# Altium PCB Audio-Streamer-Mainboard.PcbDoc (part 6 of 7)
Units mm, origin at the board's own origin, x right, y up, seen from the top; angles counter-clockwise.
Board outline 180 x 270 mm, 4 copper layers (Top Layer, VCC, GND, Bottom Layer), stack 1.62 mm thick; 653 components, 499 nets, 2423 pads, 1617 vias.
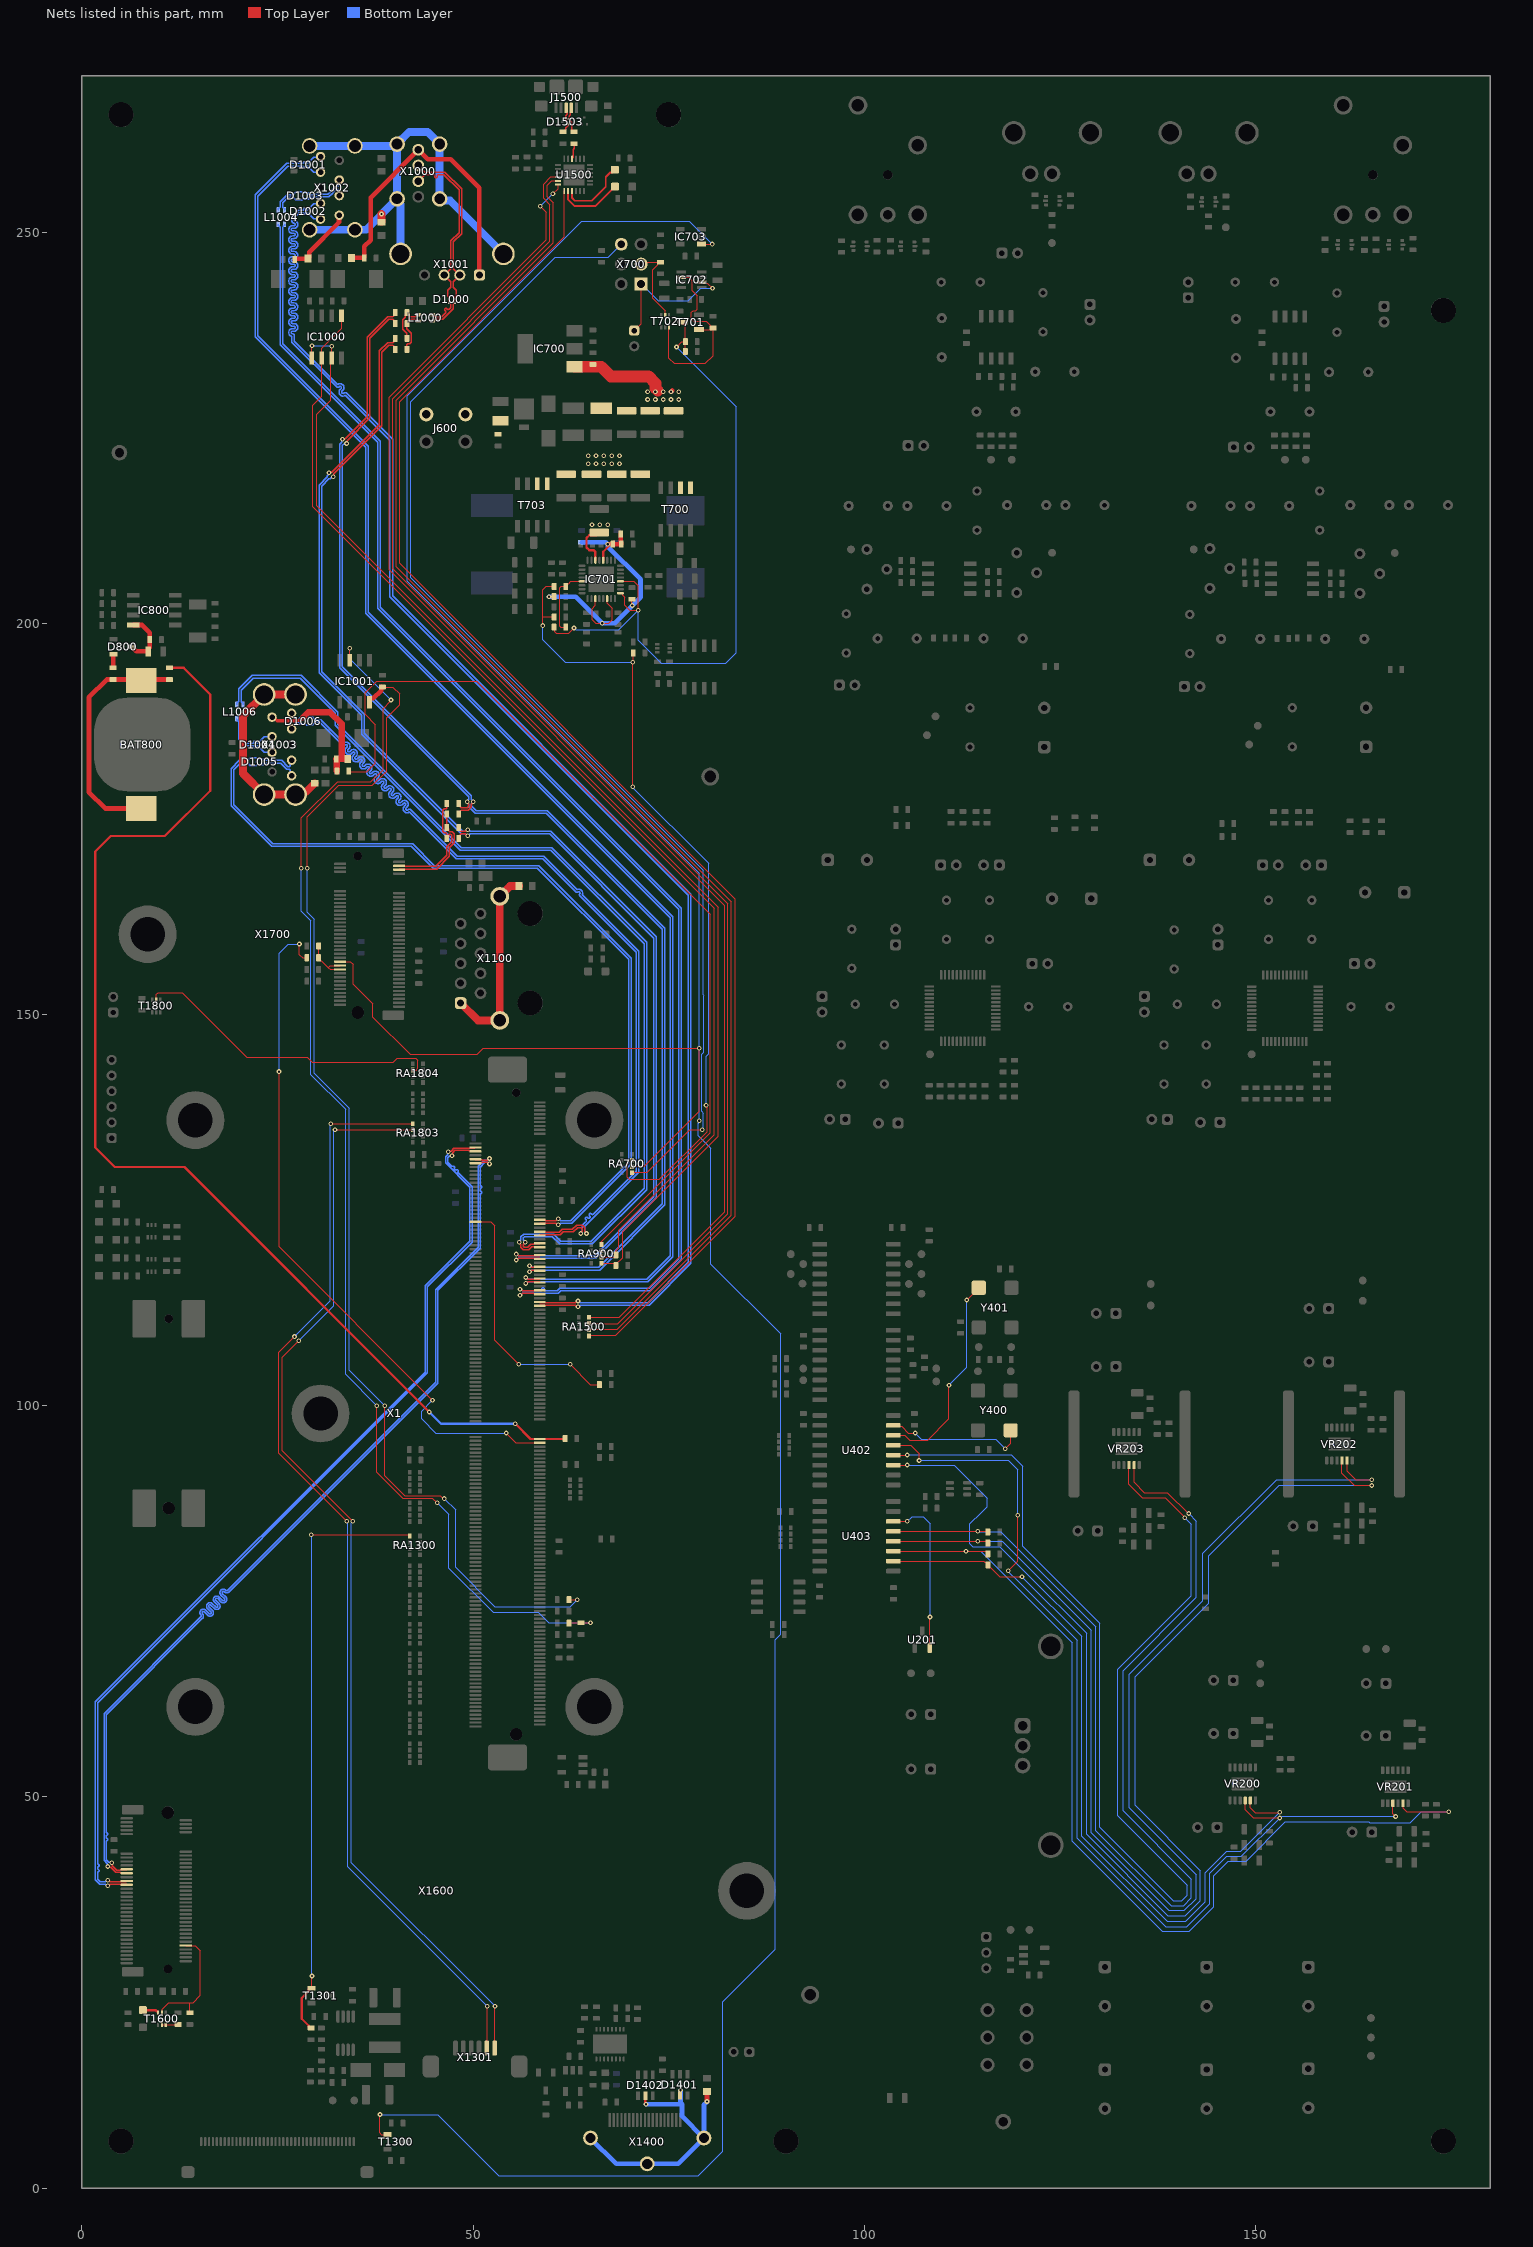
[diagram p8: the nets of this part, all layers, seen from the top]

## Via types
v1: diameter 0.6, hole 0.3, Top Layer to Bottom Layer, tented both sides, 1281 vias
v2: diameter 0.6, hole 0.3, Top Layer to Bottom Layer, 336 vias

## Nets (pads, with @x,y where several pads share a name; then routed paths per layer and width w, separated by ;. In a path a pad name is that pad's centre, name@x,y a point inside that pad or via, vN(x,y) a via of type N, cw(c..) or ccw(c..) an arc to the next point about the centre after c; other vN are vias at no path point) (continued)
PCIE1_WDISABLE#: R1702.1 R1703.1 X1700.54 X1700.56 | length 6.6
  Top Layer w0.15: R1702.1@30.25,158.75 R1703.1@30.25,157.25 30.25,157.113 30.475,156.888 30.612,156.888 31.5,156 ; X1700.56@33,155.75 31.75,155.75 31.5,156 ; X1700.54@33,156.25 31.75,156.25 31.5,156
PCIE1_WDISABLE#_R: R1703.2 X1.176 | length 90.1
  Top Layer w0.125: v1(25.2,142.7) 25.2,120.3 v1(44.8,100.7) ; v1(27.8,159) 27.8,157.65 28.2,157.25 R1703.2@28.75,157.25 ; v1(54.227,96.5) 54.227,96.473 55.45,95.25 X1.176@58.5,95.25
  Bottom Layer w0.125: v1(25.2,142.7) 25.2,157.8 26.4,159 v1(27.8,159) ; v1(44.8,100.7) 44.8,100.679 43.421,99.3 43.421,98.3 45.221,96.5 v1(54.227,96.5)
PMIC_EN: C713.2 IC701.9 IC701.12 R704.2 R710.1 T701.3 | length 88.1
  Top Layer w0.15: R710.1@60.35,199.5 60.437,199.413 60.437,198.913 60.65,198.7 62.2,198.7 v1(62.9,199.4) ; IC701.9@68.829,203.85 69.036,203.85 69.105,203.78 69.105,203.595 69.4,203.3 69.4,202.3 70.024,201.676 v1(71.1,201.676) 71.1,204.784 70.534,205.35 IC701.12@68.829,205.35 ; v1(76,235.3) 76.685,235.985 R704.2@77.135,235.985 ; C713.2@77.135,234.735 R704.2@77.135,235.985 ; T701.3@77.135,238.484 R704.2@77.135,235.985
  Top Layer w0.6: T701.3@76.785,238.484 T701.3@77.135,238.484
  Bottom Layer w0.15: v1(62.9,199.4) 63.1,199.2 68.624,199.2 v1(71.1,201.676) 71.1,197.825 74.031,194.894 82.269,194.894 83.6,196.225 83.6,227.7 v1(76,235.3)
PMIC_EN_5V: IC701.29 R710.2 R711.2 | length 9
  Top Layer w0.15: R710.2@61.85,199.5 61.19,199.5 61.1,199.59 61.1,204.54 61.26,204.7 R711.2@61.85,204.7 61.85,204.837 62.075,205.062 62.212,205.062 62.5,205.35 IC701.29@63.929,205.35
POWER_ENABLE_MOCI: R711.1 R723.1 R726.2 RA700.6 | length 103.2
  Top Layer w0.15: v1(58.9,199.7) 58.9,200.8 ; R726.2@60.35,200.8 58.9,200.8 ; R711.1@60.35,204.7 60.3,204.75 59.35,204.75 58.9,204.3 58.9,200.8 ; RA700.6@70.375,131.426 RA700.6@70.3,131.351 70.262,131.313 69.913,131.313 69.7,131.1 69.7,129.194 69.979,128.915 73.815,128.915 79.9,135 79.9,138.087 79.861,138.126 79.861,138.276 v1@79.775,138.362 ; v1(70.4,179.1) v1(70.4,195) 70.471,195.071 R723.1@70.471,196.21
  Bottom Layer w0.15: v1(58.9,199.7) 58.9,197.9 61.8,195 v1(70.4,195) ; v1(70.4,179.1) 70.4,178.999 80.1,169.299 80.1,145 79.775,144.675 v1(79.775,138.4)
PS_A12V_EN: U402.13 VR200.4 VR201.3 | length 130.3
  Top Layer w0.15: U402.13@103.7,94.94 105.91,94.94 107,93.85 v1(107,93) ; v1(118.4,78.9) 119.6,80.1 v1(119.6,86) ; VR200.4@148.686,49.548 148.686,48.36 149.697,47.35 153.05,47.35 v1(153.1,47.3) ; VR201.3@167.55,49.194 167.55,47.85 v1(167.9,47.5)
  Bottom Layer w0.15: v1(107,93) 118.39,93 119.59,91.8 119.59,86.01 v1(119.6,86) ; v1(118.4,78.9) 118.4,78.8 119.6,77.6 127.2,70 127.2,44.7 138.5,33.4 141.2,33.4 144.16,36.36 144.16,40.242 146.318,42.4 148.2,42.4 v1(153.1,47.3) 153.213,47.3 153.413,47.5 v1(167.9,47.5)
PS_A+3.3V_EN: U402.12 VR203.4 | length 150.4
  Top Layer w0.15: U402.12@103.7,93.67 105.475,93.67 v1(105.505,93.7) ; VR203.4@133.825,92.414 133.825,89.944 135.519,88.25 138.45,88.25 140.935,85.765 v1(140.935,85.694)
  Bottom Layer w0.15: v1(105.505,93.7) 118.8,93.7 120.25,92.25 120.25,82.05 122.7,79.6 130.1,72.2 130.1,46.1 139.5,36.7 140.6,36.7 141.3,37.4 141.3,38.7 132.4,47.6 132.4,66.3 141.8,75.7 141.8,84.829 v1(140.935,85.694)
PS_A+3.3V_PG: R223.1 U403.5 VR203.5 | length 142.8
  Top Layer w0.15: U403.5@103.7,83.94 v1(114.5,83.94) 115.71,83.94 R223.1@115.8,83.85 ; VR203.5@134.475,92.414 134.475,90.213 135.788,88.9 138.719,88.9 141.395,86.224 v1(141.465,86.224)
  Bottom Layer w0.15: v1(114.5,83.94) 114.54,83.9 117.44,83.9 122.22,79.12 129.6,71.74 129.6,45.7 139.2,36.1 140.8,36.1 141.8,37.1 141.8,39.5 133.1,48.2 133.1,66.15 142.45,75.5 142.45,85.24 v1(141.465,86.224)
PS_A+5V_EN: U402.11 VR202.4 | length 167.6
  Top Layer w0.15: U402.11@103.7,92.4 103.715,92.414 v1(105.5,92.414) ; VR202.4@161.05,92.995 161.05,91.381 162.631,89.8 v1(164.85,89.8)
  Bottom Layer w0.15: v1(105.5,92.414) 105.514,92.4 111.5,92.4 115.7,88.2 115.7,87.1 115,86.4 113.5,84.9 113.5,82.34 113.84,82 117.3,82 120.95,78.35 128.4,70.9 128.4,45.2 138.8,34.8 141,34.8 142.95,36.75 142.95,40.55 134.6,48.9 134.6,65.339 144,74.739 144,80.8 153,89.8 v1(164.85,89.8)
PS_A+5V_PG: R217.1 U403.4 VR202.5 | length 157.4
  Top Layer w0.15: U403.4@103.7,82.67 v1(114.5,82.67) 115.58,82.67 R217.1@115.8,82.45 ; VR202.5@161.7,92.995 161.7,91.65 162.8,90.55 v1(164.85,90.55)
  Bottom Layer w0.15: v1(114.5,82.67) 117.63,82.67 121.45,78.85 129,71.3 129,45.4 138.9,35.5 140.9,35.5 142.4,37 142.4,40.039 133.85,48.589 133.85,65.65 143.25,75.05 143.25,81.111 152.689,90.55 v1(164.85,90.55)
PS_A+12V_PG: R204.1 U403.2 VR200.5 | length 96.5
  Top Layer w0.15: U403.2@103.7,80.13 115.27,80.13 115.413,79.987 115.575,79.987 115.8,79.762 R204.1@115.8,79.65 115.8,79.513 116.025,79.288 116.162,79.288 117.3,78.15 v1(120.15,78.15) ; VR200.5@149.336,49.548 149.336,48.629 149.966,48 153.05,48 v1(153.1,48.05)
  Bottom Layer w0.15: v1(120.15,78.15) 127.8,70.5 127.8,45 138.7,34.1 141.1,34.1 143.6,36.6 143.6,40.332 146.318,43.05 148.1,43.05 v1(153.1,48.05)
PS_A-12V_PG: R210.1 U403.3 VR201.5 | length 124.4
  Top Layer w0.15: U403.3@103.7,81.4 115.575,81.4 115.8,81.175 R210.1@115.8,81.05 ; VR201.5@168.85,49.194 168.886,49.158 168.886,48.564 169.35,48.1 v1(174.7,48.1)
  Bottom Layer w0.15: v1(113,81.4) 114.9,81.4 126.6,69.7 126.6,44.3 138.1,32.8 141.5,32.8 144.65,35.95 144.65,39.95 146.5,41.8 148.811,41.8 153.811,46.8 164.5,46.8 164.6,46.7 169.8,46.7 171.2,48.1 v1(174.7,48.1)
PS_D+3.3V_PG: U201.2 U403.6 | length 21.2
  Top Layer w0.15: U403.6@103.7,85.21 v1(105.5,85.21) ; U201.2@108.35,69.05 108.35,72.95 v1(108.4,73)
  Bottom Layer w0.15: v1@105.505,85.205 106.1,85.8 107.5,85.8 108.4,84.9 v1(108.4,73)
PS_ON: RA1804.2 T1800.2 | length 39.8
  Top Layer w0.15: T1800.2@9.5,152.09 9.5,152.568 9.732,152.8 12.8,152.8 21.1,144.5 28.819,144.5 29.419,143.9 39.8,143.9 40.3,144.4 42.676,144.4 42.926,144.15 42.926,143.1 42.726,142.9 RA1804.2@42.28,142.9
PWM_BKL1: R1308.1 RA1300.8 T1301.1 | length 77
  Top Layer w0.15: v1(29.3,83.5) 41.75,83.5 RA1300.8@41.9,83.35 ; T1301.1@29.35,25.555 29.35,27.05 v1(29.4,27.1)
  Top Layer w0.3: R1308.1@29.3,20.455 29.15,20.455 29,20.605 29,20.755 28.1,21.655 28.1,24.305 29,25.205 29,25.405 29.15,25.555 T1301.1@29.35,25.555
  Bottom Layer w0.15: v1(29.3,83.5) 29.386,83.414 29.386,83.201 29.4,83.187 v1(29.4,27.1)
PWR_BTN#: IC702.2 J700.1 X700.1 | length 18.7
  Top Layer w0.15: J700.1@70.59,237.4 71.475,238.284 X700.1@71.475,243.36 ; IC702.2@79.245,243.575 79.369,243.451 79.949,243.451 v1(80.6,242.8)
  Bottom Layer w0.15: X700.1@71.475,243.36 73.635,241.2 77.5,241.2 79.1,242.8 v1(80.6,242.8)
PWR_CTRL: R709.2 T702.2 X700.3 | length 10.3
  Top Layer w0.15: X700.3@71.475,245.9 71.725,246.15 R709.2@73.798,246.15 ; R709.2@73.935,246.15 R709.2@73.798,246.15 ; T702.2@74.535,239.39 74.535,239.965 72.96,241.54 72.96,245.175 73.573,245.788 73.573,245.925 R709.2@73.798,246.15
PWR_EN#: IC702.6 R707.1 T701.1 T702.6 | length 26.2
  Top Layer w0.15: T702.6@75.035,237.81 75.035,233.865 75.7,233.2 79.7,233.2 80.685,234.185 R707.1@80.685,237.734 ; IC702.6@76.625,244.225 77.529,244.225 78,243.754 78,242.5 78.65,241.85 78.65,240.15 78.465,239.965 78.3,239.965 78.294,239.959 78.142,239.959 77.9,239.718 77.9,238.9 78.2,238.6 79.819,238.6 80.323,238.097 80.323,237.959 80.548,237.734 R707.1@80.685,237.734 ; T701.1@78.885,237.534 80.485,237.534 R707.1@80.685,237.734
PWR_IN: C600.2 F600.1 J600.1
RECOVERY_MODE#: R1802.2 X1.63 | length 33
  Top Layer w0.15: X1.63@50.3,123.5 52.25,123.5 52.75,123 52.75,108.378 v1(55.828,105.3) ; v1(62.4,105.3) 65,102.7 R1802.2@66.15,102.7
  Bottom Layer w0.15: v1(55.828,105.3) v1(62.4,105.3)
REF_CLK_EN_1: U402.15 Y400.1 | length 18.2
  Top Layer w0.15: U402.15@103.7,97.48 103.81,97.37 104.77,97.37 105.64,96.5 v1(106.5,96.5) ; v1(118.019,94.5) 118.708,95.19 Y400.1@118.708,96.85
  Bottom Layer w0.15: v1(106.5,96.5) 107.3,95.7 116.819,95.7 v1(118.019,94.5)
REF_CLK_EN_2: U402.14 Y401.1 | length 27.6
  Top Layer w0.15: U402.14@103.7,96.21 105.165,96.21 105.775,95.6 108.096,95.6 110.819,98.323 v1(110.819,102.6) ; v1(113.1,113.5) 114.625,115.025 Y401.1@114.625,115.07 Y401.1@115.157,114.538
  Bottom Layer w0.15: v1(110.819,102.6) 113.1,104.881 v1(113.1,113.5)
RESET_MICO#: RA700.8 X700.6 | length 155.4
  Top Layer w0.15: RA700.8@70.3,129.751 70.375,129.826 72.231,129.826 77.667,135.262 v1(79.3,135.262)
  Bottom Layer w0.15: X700.6@68.935,248.44 67.295,246.8 60.518,246.8 42,228.282 42,205.8 79.4,168.4 79.4,152.5 79.5,152.4 79.5,145.2 79.2,144.9 79.2,137.6 79.4,137.4 79.4,137.325 79.425,137.3 79.425,135.575 79.386,135.536 79.386,135.348 v1(79.3,135.262)
RESET_MOCI#: IC703.1 RA700.7 T1300.1 X1700.52 | length 423
  Top Layer w0.15: X1700.52@33,156.75 34.321,156.75 34.671,156.4 34.671,153.876 37.2,151.347 37.2,149.638 41.938,144.9 50.5,144.9 51.3,145.7 v1(78.885,145.7) 78.885,137.611 71.9,130.626 70.375,130.626 RA700.7@70.3,130.551 ; v1(38.1,9.4) 38.075,9.375 38.075,7.049 38.274,6.85 T1300.1@39.05,6.85 ; IC703.1@79.185,248.46 v1(80.56,248.46)
  Bottom Layer w0.15: v1(38.1,9.4) 45.5,9.4 53.3,1.6 78.8,1.6 81.9,4.7 81.9,23.8 88.6,30.5 88.6,70.089 89.3,70.789 89.3,109.165 80.4,118.065 80.4,132.9 78.775,134.525 78.775,136.087 78.814,136.126 78.814,136.314 v1(78.9,136.4) 78.9,168.071 41.61,205.361 41.61,229.1 63.91,251.4 77.62,251.4 v1(80.56,248.46)
SATA1_mSATA_ACT: R1601.2 T1600.2 T1600.3 | length 2.1
  Top Layer w0.15: T1600.2@10.23,20.86 T1600.3@10.73,20.86 12.26,20.86 R1601.2@12.3,20.9
SATA1_mSATA_ACT#: R1602.1 T1600.5 X1600.10 | length 15.2
  Top Layer w0.15: T1600.5@10.23,22.44 10.262,22.471 10.262,22.862 11.1,23.7 13.8,23.7 ; X1600.10@13.275,31 14.5,31 15.147,30.353 15.147,24.647 14.2,23.7 13.8,23.7 ; R1602.1@13.8,22.4 13.8,23.7
SATA1_mSATA_ACT_LED: D1600.C T1600.6 | length 2.1
  Top Layer w0.3: D1600.C@7.8,22.75 9.42,22.75 9.595,22.575 9.73,22.575 T1600.6@9.73,22.44
SATA1_RX_N: X1.27 X1600.43 | length 122.5
  Top Layer w0.165: v1(3.305,39.35) 3.404,39.35 3.619,39.135 4.879,39.135 4.926,39.182 5.658,39.182 X1600.43@5.725,39.25 ; v1(47.3,131.947) 47.37,132.017 47.37,132.321 47.664,132.615 49.435,132.615 49.482,132.567 50.233,132.567 X1.27@50.3,132.5
  Bottom Layer w0.165: v1(3.305,39.35) 3.206,39.35 2.991,39.135 2.365,39.135 2,39.5 2,39.9 2,40.066 2,40.366 cw(c2.034,40.366) 2.034,40.399 ccw(c2.034,40.566) 2.2,40.566 ccw(c2.034,40.566) 2.034,40.732 cw(c2.034,40.766) 2,40.766 2,41.032 cw(c2.034,41.032) 2.034,41.065 ccw(c2.034,41.232) 2.2,41.232 ccw(c2.034,41.232) 2.034,41.398 cw(c2.034,41.432) 2,41.432 2,41.731 2,41.8 2,41.966 2,42.1 2,62.018 44.17,104.188 44.17,115.188 49.87,120.888 49.87,128.004 48.537,129.337 48.287,129.587 48.26,129.615 48.048,129.826 cw(c48.072,129.85) 48.048,129.874 ccw(c47.93,129.992) 48.048,130.109 ccw(c47.93,129.992) 47.812,130.109 cw(c47.789,130.133) 47.765,130.109 47.577,130.297 cw(c47.601,130.321) 47.577,130.345 ccw(c47.459,130.462) 47.577,130.58 ccw(c47.459,130.462) 47.341,130.58 cw(c47.318,130.604) 47.294,130.58 47.2,130.674 47.1,130.774 46.747,131.128 46.747,131.698 46.926,131.877 47.23,131.877 v1(47.3,131.947)
SATA1_RX_P: X1.25 X1600.41 | length 122.5
  Top Layer w0.165: v1(3.305,38.65) 3.404,38.65 3.619,38.865 4.879,38.865 4.926,38.818 5.658,38.818 X1600.41@5.725,38.75 ; v1(46.805,132.442) 46.875,132.512 47.179,132.512 47.552,132.885 49.435,132.885 49.482,132.932 50.233,132.932 X1.25@50.3,133
  Bottom Layer w0.165: v1(3.305,38.65) 3.206,38.65 2.991,38.865 2.253,38.865 1.73,39.388 1.73,62.13 43.9,104.3 43.9,115.3 49.6,121 49.6,127.892 46.477,131.016 46.477,131.81 46.735,132.068 46.735,132.372 v1(46.805,132.442)
SATA1_TX_N: X1.31 X1600.47 | length 122.4
  Top Layer w0.165: v1(3.305,41.098) 3.375,41.028 3.679,41.028 4.342,40.365 4.879,40.365 4.926,40.318 5.658,40.318 X1600.47@5.725,40.25 ; X1.31@50.3,131.5 50.368,131.432 51.118,131.432 51.165,131.385 51.786,131.385 52.001,131.6 v1(52.1,131.6)
  Bottom Layer w0.165: v1(3.305,41.098) 3.235,41.168 3.235,41.472 2.83,41.877 2.83,60.612 15.211,72.993 ccw(c15.096,73.109) 15.259,73.109 ccw(c15.096,73.109) 15.211,73.224 cw(c15.52,73.533) 15.211,73.842 cw(c15.52,73.533) 15.828,73.842 16.251,73.419 ccw(c16.368,73.537) 16.486,73.419 ; 16.486,73.419 ccw(c16.368,73.537) 16.535,73.537 ccw(c16.368,73.537) 16.486,73.655 16.064,74.077 cw(c16.373,74.386) 16.064,74.694 cw(c16.373,74.386) 16.681,74.694 17.103,74.272 ccw(c17.221,74.39) 17.338,74.272 ; 17.339,74.272 ccw(c17.221,74.39) 17.388,74.39 ccw(c17.221,74.39) 17.339,74.508 16.917,74.93 cw(c17.225,75.238) 16.917,75.547 cw(c17.225,75.238) 17.534,75.547 17.956,75.125 ccw(c18.074,75.243) 18.191,75.124 ccw(c18.074,75.243) 18.24,75.243 ccw(c18.074,75.243) 18.192,75.36 17.769,75.782 cw(c18.078,76.091) 17.769,76.4 cw(c18.078,76.091) 18.387,76.4 ccw(c18.502,76.515) 18.618,76.4 45.221,103.003 45.221,114.838 50.63,120.247 50.63,130.612 51.403,131.385 51.786,131.385 52.001,131.6 v1(52.1,131.6)
SATA1_TX_P: X1.33 X1600.49 | length 122.4
  Top Layer w0.165: v1(3.8,41.593) 3.87,41.523 3.87,41.219 4.454,40.635 4.879,40.635 4.926,40.682 5.658,40.682 X1600.49@5.725,40.75 ; X1.33@50.3,131 50.368,131.067 51.118,131.067 51.165,131.115 51.786,131.115 52.001,130.9 v1(52.1,130.9)
  Bottom Layer w0.165: v1(3.8,41.593) 3.73,41.663 3.426,41.663 3.1,41.989 3.1,42.4 3.1,42.566 3.1,42.899 3.1,43.232 3.1,43.4 3.1,43.9 3.1,44.067 3.1,44.366 cw(c3.133,44.366) 3.133,44.399 ccw(c3.133,44.566) 3.3,44.566 ccw(c3.133,44.566) 3.133,44.732 cw(c3.133,44.766) 3.1,44.766 3.1,45.032 cw(c3.133,45.032) 3.133,45.065 ccw(c3.133,45.232) 3.3,45.232 ccw(c3.133,45.232) 3.133,45.398 cw(c3.133,45.432) 3.1,45.432 3.1,45.731 3.1,45.8 3.1,60.5 15.402,72.802 ccw(c15.096,73.109) 15.529,73.109 ccw(c15.096,73.109) 15.402,73.415 cw(c15.52,73.533) 15.402,73.651 cw(c15.52,73.533) 15.638,73.651 16.06,73.228 ccw(c16.368,73.537) 16.677,73.228 ccw(c16.368,73.537) 16.805,73.537 ccw(c16.368,73.537) 16.677,73.846 16.255,74.268 cw(c16.373,74.386) 16.254,74.503 cw(c16.373,74.386) 16.49,74.503 16.912,74.081 ccw(c17.221,74.39) 17.53,74.081 ccw(c17.221,74.39) 17.658,74.39 ccw(c17.221,74.39) 17.53,74.698 17.108,75.121 cw(c17.225,75.238) 17.108,75.356 cw(c17.225,75.238) 17.343,75.356 17.765,74.934 ccw(c18.074,75.243) 18.382,74.934 ccw(c18.074,75.243) 18.51,75.243 ccw(c18.074,75.243) 18.382,75.551 17.96,75.973 cw(c18.078,76.091) 17.96,76.208 ; 17.96,76.209 cw(c18.078,76.091) 18.196,76.209 ccw(c18.502,76.515) 18.809,76.209 45.491,102.891 45.491,114.726 50.9,120.135 50.9,126.5 50.9,126.769 50.9,127.068 cw(c50.933,127.068) 50.933,127.102 ccw(c50.933,127.268) 51.1,127.268 ccw(c50.933,127.268) 50.933,127.435 cw(c50.933,127.468) 50.9,127.468 50.9,127.734 cw(c50.933,127.734) 50.933,127.768 ccw(c50.933,127.934) 51.1,127.934 ccw(c50.933,127.934) 50.933,128.101 cw(c50.933,128.134) 50.9,128.134 50.9,128.433 50.9,128.6 50.9,128.835 50.9,129.168 50.9,129.501 50.9,129.833 50.9,130 50.9,130.5 51.515,131.115 51.786,131.115 52.001,130.9 v1(52.1,130.9)
SHIELD1: L602.2 X1000.S1 X1000.S2 X1000.S3 X1000.S4 X1001.S1 X1001.S2 X1002.S1 X1002.S2 X1002.S3 X1002.S4 | length 63
  Top Layer w1: L602.2@38.3,251.34 v1(38.3,252.3)
  Bottom Layer w1: X1002.S3@29.1,250.3 X1002.S4@34.9,250.3 36.34,250.3 X1000.S2@40.28,254.24 40.28,260.489 X1000.S1@39.905,260.865 ; X1002.S2@29.1,261 X1002.S1@34.9,261 X1000.S1@39.769,261 ; X1000.S2@40.28,253.969 40.73,253.519 X1001.S2@40.73,247.21 ; X1000.S1@40.28,261.24 41.84,262.8 44.16,262.8 X1000.S4@45.72,261.24 X1000.S3@45.72,254.24 45.911,254.049 47.031,254.049 X1001.S1@53.87,247.21
SHIELD2: L603.2 X1003.S1 X1003.S2 X1003.S3 X1003.S4 | length 26.2
  Top Layer w1: X1003.S1@23.22,178.42 X1003.S1@23.3,178.5 ; X1003.S3@27.3,190.9 X1003.S4@23.3,190.9 20.6,188.2 20.6,180.8 X1003.S1@23.3,178.1 X1003.S2@27.3,178.1 27.664,178.464 28.654,178.464 L603.2@29.75,179.56
SHIELD3: D1401.2 D1402.2 L604.2 X1400.S1 X1400.S2 X1400.S3 | length 36.4
  Top Layer w0.3: D1402.2@72.01,11.8 72.011,11.798 72.011,10.87 72.1,10.781 v1(72.1,10.7)
  Top Layer w0.6: v1(79.9,11.065) L604.2@79.9,12.36
  Bottom Layer w0.6: X1400.S1@65,6.4 68.3,3.1 X1400.S2@72.25,3.1 76.2,3.1 X1400.S3@79.5,6.4 ; v1(72.1,10.7) 76.7,10.7 ; v1(76.5,12.505) 76.5,10.9 76.7,10.7 ; v1(79.9,11.065) 79.5,10.665 X1400.S3@79.5,6.4 ; 76.7,10.7 76.7,9.2 X1400.S3@79.5,6.4
SHIELD4: L605.2 X1100.P1 X1100.S1 X1100.S2 | length 24.8
  Top Layer w1: X1100.P1@48.41,151.452 50.62,149.242 X1100.S1@53.41,149.242 X1100.S2@53.41,165.092 54.718,166.4 L605.2@55.874,166.4
TOUCH_INT#: RA1803.8 X1301.5 | length 142.5
  Top Layer w0.15: v1(27.17,108.83) 25.15,106.811 25.15,93.91 v1(33.85,85.21) ; v1(31.8,136.05) RA1803.8@42.28,136.05 ; X1301.5@51.75,17.9 51.75,18.925 51.8,18.975 v1(51.8,23.25)
  Bottom Layer w0.15: v1(27.17,108.83) 31.75,113.411 31.75,136.1 v1(31.8,136.05) ; v1(33.85,85.21) 34,85.06 34,41.05 v1(51.8,23.25)
TOUCH_RESET#: RA1803.7 X1301.6 | length 141.5
  Top Layer w0.15: v1(27.7,108.3) 25.6,106.2 25.6,94.21 v1(34.6,85.21) ; v1(32.35,135.262) 32.362,135.25 RA1803.7@42.28,135.25 ; X1301.6@52.75,17.9 52.75,23.2 v1(52.8,23.25)
  Bottom Layer w0.15: v1(27.7,108.3) 32.2,112.8 32.2,135.112 v1(32.35,135.262) ; v1(34.6,85.21) 34.45,85.06 34.45,41.6 v1(52.8,23.25)
UART1_CTS: RA1500.7 U1500.11 | length 183.9
  Top Layer w0.15: U1500.11@60.85,256.55 60.05,256.55 59.484,255.984 59.484,254.5 60.25,253.734 60.25,248.612 40.15,228.512 40.15,207.25 83,164.4 83,124.356 68.419,109.775 64.875,109.775 RA1500.7@64.8,109.7
UART1_RTS: RA1500.6 U1500.10 | length 183.8
  Top Layer w0.15: U1500.10@60.85,257.05 59.95,257.05 59,256.1 59,254.3 59.8,253.5 59.8,248.798 39.7,228.698 39.7,206.99 82.55,164.14 82.55,124.543 68.507,110.5 RA1500.6@64.8,110.5
UART1_RX_LED: D1500.C U1500.14 | length 8.5
  Top Layer w0.25: U1500.14@62.15,255.25 62.15,254.15 63,253.3 65.629,253.3 D1500.C@68.129,255.8
UART1_RXD: RA1500.8 U1500.13 | length 182.5
  Top Layer w0.15: U1500.13@61.65,255.25 61.65,249.375 40.6,228.325 40.6,207.65 83.45,164.8 83.45,124.17 68.255,108.975 64.875,108.975 RA1500.8@64.8,108.9
UART1_TX_LED: D1501.C U1500.15 | length 8.9
  Top Layer w0.25: U1500.15@62.65,255.25 62.65,254.35 63,254 65.169,254 66.95,255.781 66.95,257.034 67.524,257.608 67.778,257.608 D1501.C@68.129,257.96
UART1_TXD: RA1500.5 U1500.12 | length 181.5
  Top Layer w0.15: v1(58.6,253.3) 59.35,252.55 59.35,248.984 39.25,228.884 39.25,206.811 82.1,163.961 82.1,124.729 68.671,111.3 RA1500.5@64.8,111.3 ; v1(60.2,254.9) 60.85,255.55 U1500.12@60.85,256.05
  Bottom Layer w0.15: v1(58.6,253.3) v1(60.2,254.9)
USBH2_D_N: R1000.1 R1708.1 X1.82 | length 164.3
  Top Layer w0.165: v1(32.116,218.716) 32.188,218.788 32.188,219.088 38.325,225.225 38.325,234.662 39.2,235.538 39.736,235.538 39.832,235.441 39.832,235.218 R1000.1@40.05,235 ; R1708.1@48.15,173.9 48.368,173.682 48.368,173.473 48.447,173.394 48.986,173.394 49.198,173.606 v1(49.3,173.606) ; v1(55.5,118.625) 55.602,118.625 55.814,118.837 57.281,118.837 57.736,118.837 57.756,118.817 58.432,118.817 X1.82@58.5,118.75
  Bottom Layer w0.165: v1(32.116,218.716) 31.999,218.716 31.748,218.465 31.565,218.465 30.633,217.533 30.633,193.827 36.1,188.36 36.1,185.944 48.65,173.394 48.986,173.394 49.198,173.606 v1(49.3,173.606) 49.402,173.606 49.614,173.394 59.93,173.394 73.42,159.903 73.42,126.561 65.697,118.837 55.814,118.837 55.602,118.625 v1(55.5,118.625)
USBH2_D_P: R1001.1 R1709.1 X1.80 | length 164.3
  Top Layer w0.165: v1(31.586,219.246) 31.658,219.318 31.958,219.318 38,225.36 38,234.797 39.065,235.862 39.736,235.862 39.832,235.959 39.832,236.182 R1001.1@40.05,236.4 ; R1709.1@48.15,172.5 48.368,172.718 48.368,172.941 48.495,173.069 48.986,173.069 49.198,172.856 v1(49.3,172.856) ; v1(55.5,119.375) 55.602,119.375 55.814,119.162 57.146,119.162 57.736,119.162 57.756,119.182 58.432,119.182 X1.80@58.5,119.25
  Bottom Layer w0.165: v1(31.586,219.246) 31.586,219.128 31.336,218.878 31.336,218.695 30.308,217.667 30.308,193.692 35.775,188.225 35.775,185.809 48.515,173.069 48.986,173.069 49.198,172.856 v1(49.3,172.856) 49.402,172.856 49.614,173.069 59.795,173.069 73.095,159.769 73.095,126.695 65.562,119.162 55.814,119.162 55.602,119.375 v1(55.5,119.375)